# Altium PCB 智能马桶综合检测台_数据板V1.0.PcbDoc (part 1 of 8)
Units mil, origin at the board's own origin, x right, y up, seen from the top; angles counter-clockwise.
Board outline 5580 x 4007.36 mil, 2 copper layers (Top Layer, Bottom Layer); 109 components, 92 nets, 426 pads, 50 vias.
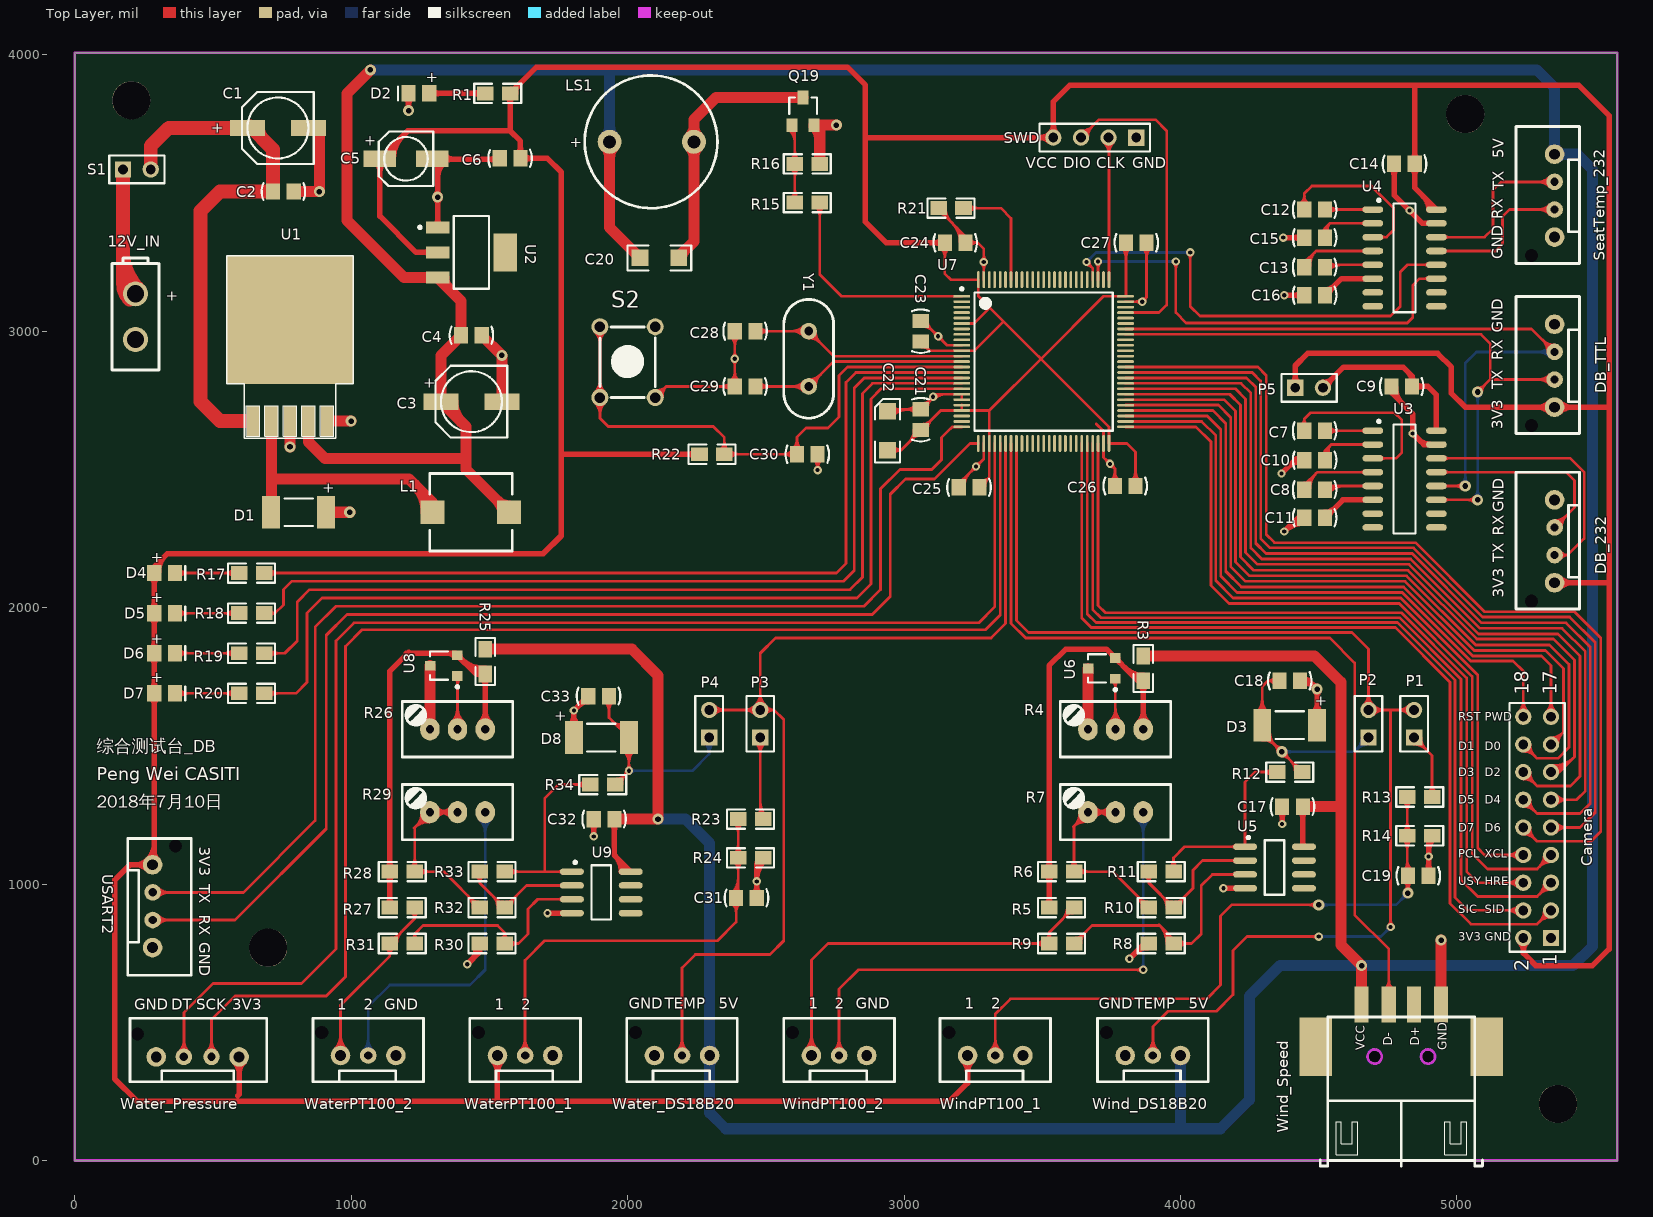
[diagram p0: Top Layer view]
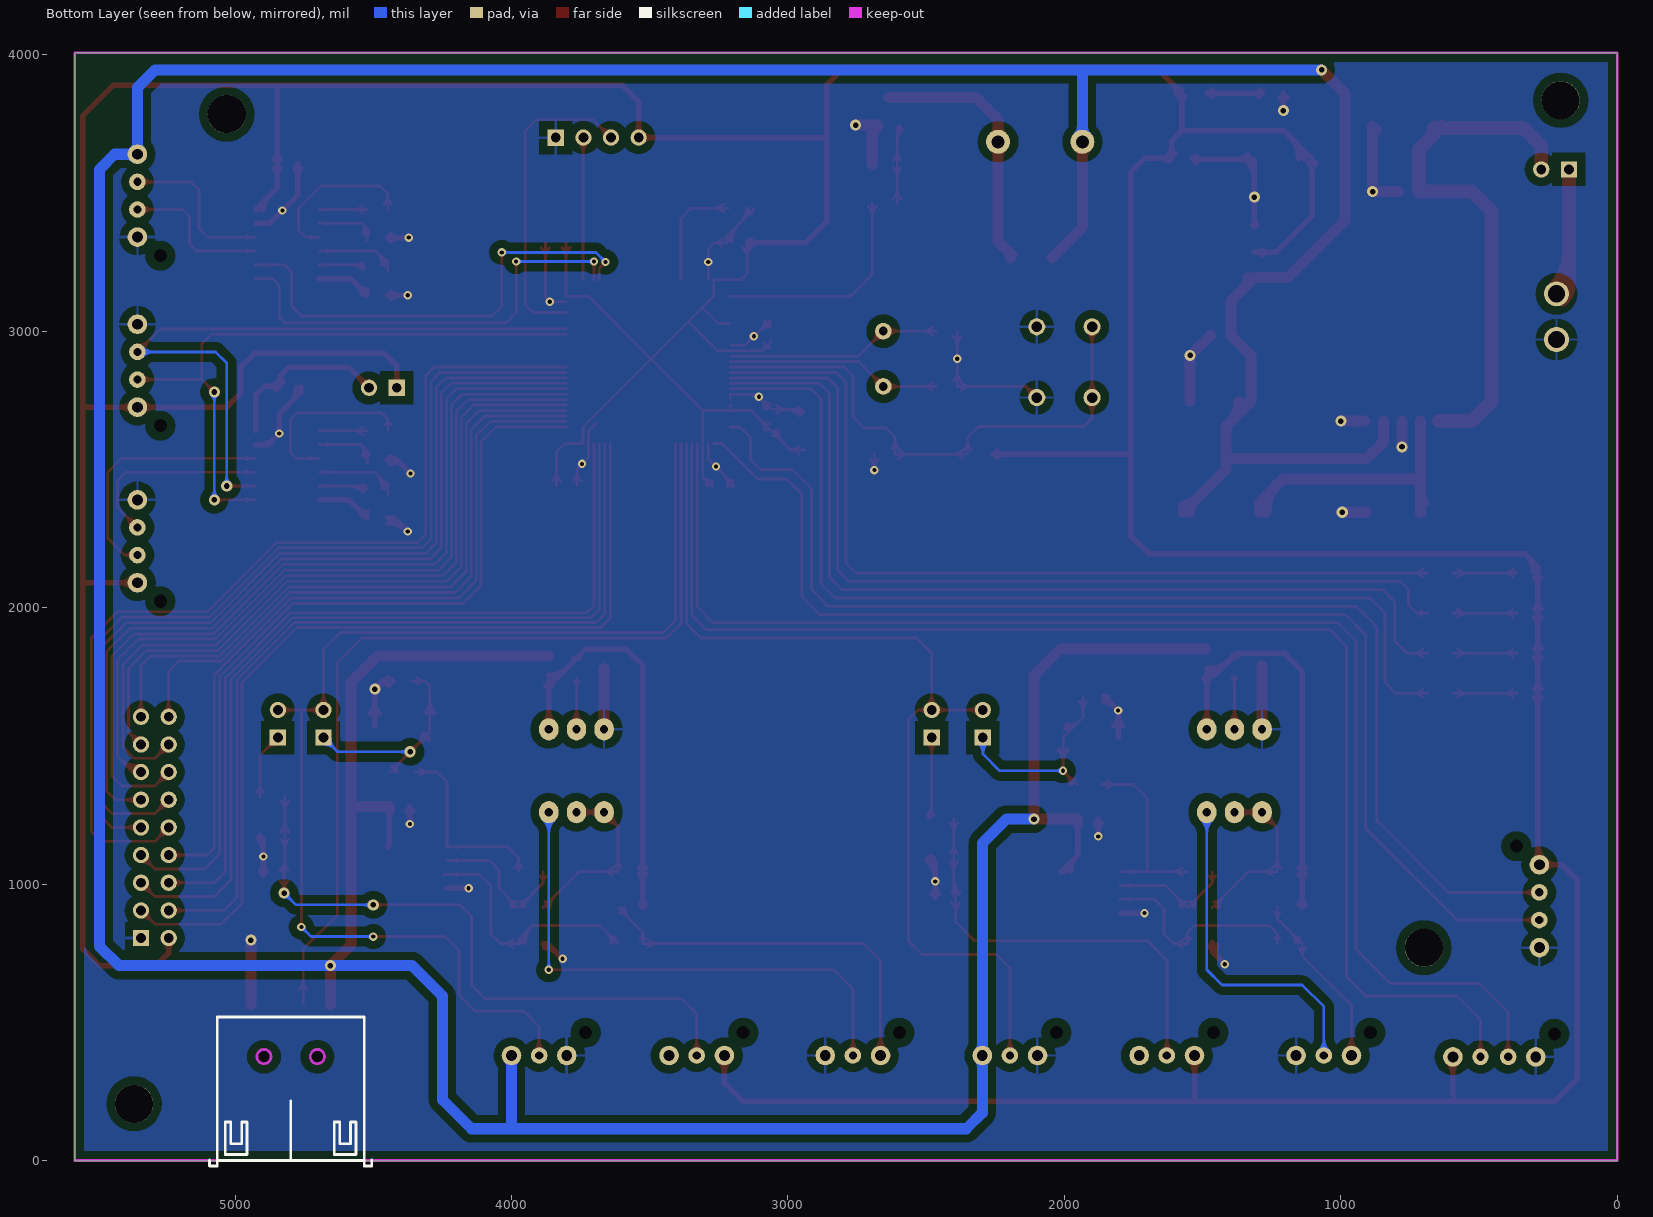
[diagram p1: Bottom Layer view, seen from below]

## Layer stack, top to bottom
Top Layer: signal copper 1.4
Dielectric: dielectric 12.6, FR-4, Dk 4.8
Bottom Layer: signal copper 1.4

## Board outline
0,0 5580,0 5580,4007.36 0,4007.36

## Design rules (kind name [scope] priority, off if disabled: settings)
Clearance [All] p1: gap=7.87
ComponentClearance [All] p1: gap=10 collisioncheckmode=3 verticalgap=10
HoleSize [All] p1: absolutevalues=TRUE maxlimit=100 minlimit=0 maxpercent=80.000 minpercent=20.000
PolygonConnect PolygonConnect_1 [ViaSize] p1: connectstyle=Direct reliefconductorwidth=10 reliefentries=4 polygonreliefangle="90 Angle"
PolygonConnect [All] p2: connectstyle=Relief reliefconductorwidth=10 reliefentries=4 polygonreliefangle="90 Angle"
RoutingVias [All] p1: holewidth=25 width=40 viastyle="Through Hole" minholewidth=12 minwidth=24 maxholewidth=100 maxwidth=100
SolderMaskExpansion [All] p1: expansion=4
TestPointUsage [All] p1: valid=0 allowmultiple=FALSE
Testpoint [All] p1: side=15 testpointundercomponent=TRUE minsize=40 maxsize=100 preferedsize=60 minholesize=0 maxholesize=40 preferedholesize=32 testpointgrid=1 style=1023 order=0-112345678
Width [All] p1: maxlimit=100 minlimit=8 preferedwidth=12
17 further rules are at their usual default settings.

## Components (designator, comment, footprint, x,y, rotation, side; value= is the part's Value field where it differs from the comment)
12V_IN "Header 2H" 4.2mm接插件2P 435,3145 r0 top
C1 "Cap Pol" CC6.56.5 735,3735 r0 top
C2 "Cap" CAP-0805 755,3505 r180 top (schematic designator C27)
C3 "Cap Pol" CC6.56.5 1435,2745 r0 top (schematic designator C2)
C4 "Cap" CAP-0805 1435,2985 r180 top (schematic designator C3)
C5 "Cap Pol" 贴片电容5*5.4 1100,3525 r0 top (schematic designator C4)
C6 "Cap" CAP-0805 1575,3625 r0 top (schematic designator C5)
C7 "Cap" CAP-0805 4485,2640 r180 top
C8 "Cap" CAP-0805 4485,2426.67 r0 top
C9 "Cap" CAP-0805 4800,2800 r0 top
C10 "Cap" CAP-0805 4485,2533.33 r0 top
C11 "Cap" CAP-0805 4485,2325 r0 top
C12 "Cap" CAP-0805 4485,3440 r180 top
C13 "Cap" CAP-0805 4485,3231.67 r0 top
C14 "Cap" CAP-0805 4810,3605 r0 top
C15 "Cap" CAP-0805 4485,3338.33 r0 top
C16 "Cap" CAP-0805 4485,3130 r0 top
C17 "Cap" CAP-0805 4405,1280 r180 top
C18 "Cap" CAP-0805 4395,1735 r180 top
C19 "Cap" CAP-0805 4860,1030 r0 top
C20 "Cap" 1206 2115,3265 r180 top
C21 "Cap" CAP-0805 3060,2680 r270 top
C22 "Cap Pol" 1206 2940,2640 r90 top
C23 "Cap" CAP-0805 3060,3000 r90 top
C24 "Cap" CAP-0805 3185,3320 r0 top
C25 "Cap" CAP-0805 3235,2435 r180 top
C26 "Cap" CAP-0805 3800,2440 r180 top
C27 "Cap" CAP-0805 3840,3320 r0 top
C28 "Cap" CAP-0805 2425,3000 r0 top (schematic designator C17)
C29 "Cap" CAP-0805 2425,2800 r0 top (schematic designator C18)
C30 "Cap" CAP-0805 2650,2555 r0 top
C31 "Cap" CAP-0805 2430,950 r0 top
C32 "Cap" CAP-0805 1915,1235 r180 top
C33 "Cap" CAP-0805 1895,1680 r0 top
Camera "Header 9X2" HDR2X9 5340,805 r90 top
D1 "Diode" SMA 910,2345 r180 top
D2 "LED0" LED_0805 1245,3860 r180 top
D3 "813B_3V3" SMA 4495,1575 r180 top
D4 "LED1" LED_0805 325,2125.47 r0 top
D5 "LED1" LED_0805 325,1979.53 r0 top
D6 "LED1" LED_0805 325,1835 r0 top
D7 "LED1" LED_0805 325,1690 r0 top
D8 "813B_3V3" SMA 1805,1530 r0 top
DB_232 "Header 4" XH-254-4P 5440,1995 r90 top
DB_TTL "Header 4" XH-254-4P 5440,2630 r90 top
L1 "Inductor" 功率电感7*7 1295,2345 r0 top
LS1 "Bell" 有源蜂鸣器5V 1935,3685 r0 top
P1 "Header 2" HDR1X2 4845,1530 r90 top
P2 "Header 2" HDR1X2 4680,1530 r90 top
P3 "Header 2" HDR1X2 2480,1530 r90 top
P4 "Header 2" HDR1X2 2295,1530 r90 top
P5 "Header 2" HDR1X2 4415,2795 r0 top
Q19 "8050" SOT-23_3C 2595,3745 r0 top
R1 "Res" 0805 1485,3860 r0 top
R3 "Res" 0805 3865,1735 r90 top
R4 "3296W电位器" VR3296-1 3765,1560 r180 top
R5 "Res" 0805 3615,915 r180 top
R6 "Res" 0805 3615,1045 r180 top
R7 "3296W电位器" VR3296-1 3765,1260 r180 top
R8 "Res" 0805 3975,785 r180 top
R9 "Res" 0805 3615,785 r180 top
R10 "Res" 0805 3975,915 r180 top
R11 "Res" 0805 3975,1045 r180 top
R12 "Res" 0805 4440,1405 r180 top
R13 "Res" 0805 4820,1315 r0 top
R14 "Res" 0805 4910,1175 r180 top
R15 "Res" 0805 2695,3465 r180 top
R16 "Res" 0805 2605,3605 r0 top
R17 "Res" 0805 685,2125 r180 top
R18 "Res" 0805 685,1980 r180 top
R19 "Res" 0805 685,1835 r180 top
R20 "Res" 0805 685,1690 r180 top
R21 "Res" 0805 3215,3445 r180 top
R22 "Res" 0805 2350,2555 r180 top
R23 "Res" 0805 2400,1235 r0 top
R24 "Res" 0805 2490,1095 r180 top
R25 "Res" 0805 1485,1760 r90 top
R26 "3296W电位器" VR3296-1 1385,1560 r180 top
R27 "Res" 0805 1230,915 r180 top
R28 "Res" 0805 1230,1045 r180 top
R29 "3296W电位器" VR3296-1 1385,1260 r180 top
R30 "Res" 0805 1555,785 r180 top
R31 "Res" 0805 1230,785 r180 top
R32 "Res" 0805 1555,915 r180 top
R33 "Res" 0805 1555,1045 r180 top
R34 "Res" 0805 1955,1360 r180 top
S1 "SW-SPST" HDR1X2 175,3585 r0 top
S2 "SW-PB" KEY 1900,2760 r90 top
SeatTemp_232 "Header 4" XH-254-4P 5440,3245 r90 top
SWD "Header 4" HDR1X4 3840,3700 r180 top
U1 "LM2596S-5.0" TO-263-5L(D2PAK) 645,2675 r0 top
U2 "AMS1117-3.3" SOT223 1435,3285 r270 top
U3 "MAX232AESE" L16_L 4810,2465 r0 top
U4 "MAX232AESE" L16_L 4810,3265 r0 top
U5 "LM358M" M08A_N 4340,1060 r0 top
U6 "431" SOT-23 3715,1780 r90 top
U7 "STM32F103VCT6" STM-LQFP100_L 3505,2890 r0 top
U8 "431" SOT-23 1335,1790 r90 top
U9 "LM358M" M08A_N 1905,970 r0 top
USART2 "Header 4" XH-254-4P 195,1165 r270 top
Water_DS18B20 "Header 3" XH-254-3P-H 2097,380 r0 top
Water_Pressure "Header 4" XH-254-4P 200,288 r0 top
WaterPT100_1 "Header 3" XH-254-3P-H 1529.33,380 r0 top
WaterPT100_2 "Header 3" XH-254-3P-H 961.67,380 r0 top
Wind_DS18B20 "Header 3" XH-254-3P-H 3800,380 r0 top
Wind_Speed "Header 4" USB-4-A-SMT 4655,565 r90 top
WindPT100_1 "Header 3" XH-254-3P-H 3230,380 r0 top
WindPT100_2 "Header 3" XH-254-3P-H 2665,380 r0 top
Y1 "XTAL" X-HC49U 2655,2900 r270 top

## Footprints (in the part's own frame and the unit in brackets; to place one, negate y for a bottom-side part, rotate by r counter-clockwise, add the part's x,y. Pads: shape width x height; smd on the part's side, far side on the other; paste and mask are expansions set on the pad)
4.2mm接插件2P [mil]
  round 90 hole 62.99: 1(-215,-10) 2(-215,-175)
  silkscreen extent -300,-285 -130,120
0805 [mil]
  rect 60x50 smd: 1(0,0) 2(90,0)
  silkscreen extent -40,-35 130,35
1206 [mil]
  rect 60x60 smd: 1(-70,0) 2(70,0)
  silkscreen extent -115,-45 115,45, body extent -75,-35 75,35, height 39
CAP-0805 [mm]
  rect 1.3x1.5 smd: 1(-0.95,0) 2(0.95,0)
  silkscreen extent -2,-0.79 2,0.79, body extent -1.27,-0.64 1.27,0.64, height 0.9
CC6.56.5 [mm]
  rect 3.2x1.5 smd: 1(-2.794,0) 2(2.8,0)
  silkscreen extent -3.3,-3.3 3.3,3.3
HDR1X2 [mm] "Connector; Header; 2 Position"
  rect 1.5x1.5 hole 0.9: 1(0,0)
  round 1.5 hole 0.9: 2(2.54,0)
  silkscreen extent -1.27,-1.27 3.81,1.27
HDR1X4 [mm] "Connector; Header; 4 Position"
  rect 1.5x1.5 hole 0.9: 1(0,0)
  round 1.5 hole 0.9: 2(2.54,0) 3(5.08,0) 4(7.62,0)
  silkscreen extent -1.27,-1.27 8.89,1.27
HDR2X9 [mm] "Connector; Header; 9x2 Position"
  rect 1.5x1.5 hole 0.9: 1(0,0)
  round 1.5 hole 0.9: 2(0,2.54) 3(2.54,0) 4(2.54,2.54) 5(5.08,0) 6(5.08,2.54) 7(7.62,0) 8(7.62,2.54) 9(10.16,0) 10(10.16,2.54) 11(12.7,0) 12(12.7,2.54) 13(15.24,0) 14(15.24,2.54) 15(17.78,0) 16(17.78,2.54) 17(20.32,0) 18(20.32,2.54)
  silkscreen extent -1.27,-1.27 21.59,3.81
KEY [mil]
  round 62 hole 38: 1(0,0) 1(255.91,0) 2(0,-200) 2(255.91,-200)
  silkscreen extent 0,-200 255,0
L16_L [mm] "SOIC, 16-Leads, Body 9.9x3.9mm, Pitch 1.27mm, IPC High Density"
  oval 1.9x0.6 smd: 1(-2.905,4.445) 2(-2.905,3.175) 3(-2.905,1.905) 4(-2.905,0.635) 5(-2.905,-0.635) 6(-2.905,-1.905) 7(-2.905,-3.175) 8(-2.905,-4.445) 9(2.937,-4.445) 10(2.937,-3.175) 11(2.937,-1.905) 12(2.937,-0.635) 13(2.937,0.635) 14(2.937,1.905) 15(2.937,3.175) 16(2.937,4.445)
  silkscreen extent -2.47,-5 1,5.42, body extent -1.95,-4.95 1.95,4.95, height 1.75
LED_0805 [mm]
  rect 1.3x1.5 smd: 1(-0.95,0) 2(0.95,0)
  silkscreen extent 1.91,-0.63 1.91,0.64
M08A_N [mm] "SOIC, 8-Leads, Body 4.9x3.9mm, Pitch 1.27mm, IPC Medium Density"
  oval 2.2x0.6 smd: 1(-2.7,1.905) 2(-2.7,0.635) 3(-2.7,-0.635) 4(-2.7,-1.905) 5(2.7,-1.905) 6(2.7,-0.635) 7(2.7,0.635) 8(2.7,1.905)
  silkscreen extent -2.52,-2.5 0.9,2.88, body extent -1.95,-2.45 1.95,2.45, height 1.76
SMA [mm]
  rect 1.65x3 smd: 1(0.015,0) 2(5.065,0)
  silkscreen extent 1.24,-1.27 3.84,1.28, body extent 0.44,-1.35 4.64,1.35, height 0.6
SOT223 [mm] "SOT-223/SC-73; 4 Leads; Body 6.7 x 7.3 mm, inc. leads (LxW max)"
  rect 1.1x2.15 smd: 1(-2.3,-3.1) 2(0,-3.1) 3(2.3,-3.1)
  rect 3.5x2.15 smd: 4(0,3.1)
  silkscreen extent -3.35,-4.85 3.35,1.63
SOT-23 [mm] "SOT-23; 3 Leads; Body 3.0 x 2.6 mm, inc. leads (LxW max)"
  rect 0.9x0.95 smd: 1(-0.95,-1.25) 2(0.95,-1.25) 3(0,1.25)
  silkscreen extent -2.07,-1.38 1.3,1.25
SOT-23_3C [mil]
  rect 40x50 smd: 1(0,0) 2(80,0) 3(40,100)
  silkscreen extent -10,40 90,100
STM-LQFP100_L [mm] "Thin QFP, 100-Leads, Body 14x14mm, Pitch 0.5mm, IPC High Density"
  oval 1.55x0.25 smd: 1(-7.525,6) 2(-7.525,5.5) 3(-7.525,5) 4(-7.525,4.5) 5(-7.525,4) 6(-7.525,3.5) 7(-7.525,3) 8(-7.525,2.5) 9(-7.525,2) 10(-7.525,1.5) 11(-7.525,1) 12(-7.525,0.5) 13(-7.525,0) 14(-7.525,-0.5) 15(-7.525,-1) 16(-7.525,-1.5) 17(-7.525,-2) 18(-7.525,-2.5) 19(-7.525,-3) 20(-7.525,-3.5) 21(-7.525,-4) 22(-7.525,-4.5) 23(-7.525,-5) 24(-7.525,-5.5) 25(-7.525,-6) 51(7.525,-6) 52(7.525,-5.5) 53(7.525,-5) 54(7.525,-4.5) 55(7.525,-4) 56(7.525,-3.5) 57(7.525,-3) 58(7.525,-2.5) 59(7.525,-2) 60(7.525,-1.5) 61(7.525,-1) 62(7.525,-0.5) 63(7.525,0) 64(7.525,0.5) 65(7.525,1) 66(7.525,1.5) 67(7.525,2) 68(7.525,2.5) 69(7.525,3) 70(7.525,3.5) 71(7.525,4) 72(7.525,4.5) 73(7.525,5) 74(7.525,5.5) 75(7.525,6)
  oval 0.25x1.55 smd: 26(-6,-7.525) 27(-5.5,-7.525) 28(-5,-7.525) 29(-4.5,-7.525) 30(-4,-7.525) 31(-3.5,-7.525) 32(-3,-7.525) 33(-2.5,-7.525) 34(-2,-7.525) 35(-1.5,-7.525) 36(-1,-7.525) 37(-0.5,-7.525) 38(0,-7.525) 39(0.5,-7.525) 40(1,-7.525) 41(1.5,-7.525) 42(2,-7.525) 43(2.5,-7.525) 44(3,-7.525) 45(3.5,-7.525) 46(4,-7.525) 47(4.5,-7.525) 48(5,-7.525) 49(5.5,-7.525) 50(6,-7.525) 76(6,7.525) 77(5.5,7.525) 78(5,7.525) 79(4.5,7.525) 80(4,7.525) 81(3.5,7.525) 82(3,7.525) 83(2.5,7.525) 84(2,7.525) 85(1.5,7.525) 86(1,7.525) 87(0.5,7.525) 88(0,7.525) 89(-0.5,7.525) 90(-1,7.525) 91(-1.5,7.525) 92(-2,7.525) 93(-2.5,7.525) 94(-3,7.525) 95(-3.5,7.525) 96(-4,7.525) 97(-4.5,7.525) 98(-5,7.525) 99(-5.5,7.525) 100(-6,7.525)
  silkscreen extent -7.65,-6.35 6.35,6.8, body extent -7,-7 7,7, height 1.6
TO-263-5L(D2PAK) [mm]
  rect 1.203x2.803 smd: 1(0,0) 2(1.7,0) 3(3.4,0) 4(5.1,0) 5(6.8,0)
  rect 11.6x11.8 smd: 3(3.412,9.297)
  silkscreen extent -2.4,-1.6 9.2,15.2, body extent -1.65,-0.84 8.51,13.39, height 4.87
USB-4-A-SMT [mm]
  rect 3.3x1.3 smd: 1(0,0) 2(0,-2.5) 3(0,-4.8) 4(0,-7.3)
  rect 5.4x3 smd: 5(-3.9,-11.5) 6(-3.9,4.2)
  Keep-Out Layer circle w0.254: c-4.8,-1.2 r0.65
  Keep-Out Layer circle w0.254: c-4.8,-6.1 r0.65
  silkscreen extent -14.85,-11.1 -1.15,3.8
VR3296-1 [mil]
  oval 70x80 hole 30: 1(-100,0) 2(100,0) W(0,0)
  silkscreen extent -200,-100 200,100
X-HC49U [mil]
  round 60 hole 32: 1(-100,0) 2(100,0)
  silkscreen extent -215,-90 215,90
XH-254-3P-H [mm]
  round 0 hole 1.2: 0(-1.727,2.108)
  round 1.8 hole 1: 1(0,0) 3(5.08,0)
  round 1.524 hole 0.762: 2(2.54,0)
  silkscreen extent -2.54,-2.41 7.62,3.43
XH-254-4P [mil]
  round 0 hole 47.24: 0(28,170)
  round 70.87 hole 39.37: 1(95,87) 4(395,87)
  round 60 hole 30: 2(195,87) 3(295,87)
  silkscreen extent 0,-3 495,227
功率电感7*7 [mm]
  rect 2.2x2.2 smd: 1(0,0) 2(7,0)
  silkscreen extent -0.27,-3.57 7.31,3.57
有源蜂鸣器5V [mm]
  round 2.2 hole 1.2: 1(0,0) 2(7.747,0)
  silkscreen extent -2.28,-6.1 9.91,6.1
贴片电容5*5.4 [mm]
  rect 3x1.5 smd: 1(0.1,2.5) 2(4.9,2.5)
  silkscreen extent 0,0 5,5

## Part data
12V_IN: "Header, 2-Pin, Right Angle"
C1 C3: "极性电解电容"
C2 C4 C7 C8 C9 C10 C11 C12 C13 C14 C15 C16 C17 C18 C19 C20 C21 C23 C24 C25 C26 C27 C28 C29 C30 C31 C32 C33: "无极性电容"
C5 C22: library part Cap, "无极性电容"
C6: library part "Cap Pol", "极性电解电容"
Camera: "Header, 9-Pin, Dual row"
D1: "二极管"
D2: "发光二极管"
D3: library part LED1, "Typical RED GaAs LED"
D4 D5 D6 D7: "Typical RED GaAs LED"
D8: library part "Diode 11DQ03", "Schottky Rectifier"
DB_232 DB_TTL SeatTemp_232 SWD USART2 Water_Pressure Wind_Speed: "Header, 4-Pin"
LS1: "Electrical Bell"
P1 P2 P3 P4 P5: "Header, 2-Pin"
Q19: library part NPN(1)
R1 R3 R5 R6 R8 R9 R10 R11 R12 R13 R14 R15 R16 R17 R18 R19 R20 R21 R22 R23 R24 R25 R27 R28 R30 R31 R32 R33 R34: library part Res1, "贴片电阻"
R4 R7 R26 R29: library part RPot, "Potentiometer"
S1: "Single-Pole, Single-Throw Switch"
S2: "Switch"
U1: library part MC74HC4049D, "Hex Inverting Buffer/Logic-Level Down Converter"
U2: library part 7805
U3 U4: "+5V-Powered, Multichannel RS-232 Driver/Receiver"
U5 U9: "Low-Power Dual Operational Amplifier"
U6 U8: library part TL431ILP, "Programmable Precision Reference"
U7: "ARM Cortex-M3 32-bit MCU, 256 KB Flash, 48 KB Internal RAM, 80 I/Os, 100-pin LQFP, -40 to 85 degC, Tray"
Water_DS18B20 WaterPT100_1 WaterPT100_2 Wind_DS18B20 WindPT100_1 WindPT100_2: "Header, 3-Pin"
Y1: "晶振"

## Free pads (board coordinates)
  round 137.8 hole 137.8: 0(205,3835) 0(700,770) 0(5030,3785) 0(5365,205)
  round 59.06 hole 59.06: 0(4702.24,376.02) 0(4895.16,376.02)

## Via types
v1: diameter 30, hole 15, Top Layer to Bottom Layer, 31 vias
v2: diameter 40, hole 20, Top Layer to Bottom Layer, 19 vias

## Nets (pads, with @x,y where several pads share a name; then routed paths per layer and width w, separated by ;. In a path a pad name is that pad's centre, name@x,y a point inside that pad or via, vN(x,y) a via of type N, cw(c..) or ccw(c..) an arc to the next point about the centre after c; other vN are vias at no path point)
ADC_DT: U7.29 Water_Pressure.2 | length 5855
  Top Layer w10: Water_Pressure.2@395,375 395,535 500,640 820,640 945,765 945,1880 1010,1945 3270,1945 3327.83,2002.83 U7.29@3327.83,2593.74 ; Water_Pressure.2@377.32,392.68 ccw(c334.64,435.36) 395,435.36 ; Water_Pressure.2@377.32,392.68 ccw(c334.64,435.36) 395,435.36 ; Water_Pressure.2@377.32,392.68 ccw(c334.64,435.36) 395,435.36 ; Water_Pressure.2@377.32,392.68 ccw(c334.64,435.36) 395,435.36 ; Water_Pressure.2@377.32,392.68 ccw(c334.64,435.36) 395,435.36 ; Water_Pressure.2@377.32,392.68 ccw(c334.64,435.36) 395,435.36 ; Water_Pressure.2@384.39,385.61 ccw(c358.79,411.21) 395,411.21 ; Water_Pressure.2@384.39,385.61 ccw(c358.79,411.21) 395,411.21 ; Water_Pressure.2@384.39,385.61 ccw(c358.79,411.21) 395,411.21 ; Water_Pressure.2@384.39,385.61 ccw(c358.79,411.21) 395,411.21 ; Water_Pressure.2@384.39,385.61 ccw(c358.79,411.21) 395,411.21 ; Water_Pressure.2@384.39,385.61 ccw(c358.79,411.21) 395,411.21 ; 395,411.21 ccw(c431.21,411.21) Water_Pressure.2@405.61,385.61 ; 395,411.21 ccw(c431.21,411.21) Water_Pressure.2@405.61,385.61 ; 395,411.21 ccw(c431.21,411.21) Water_Pressure.2@405.61,385.61 ; 395,411.21 ccw(c431.21,411.21) Water_Pressure.2@405.61,385.61 ; 395,411.21 ccw(c431.21,411.21) Water_Pressure.2@405.61,385.61 ; 395,411.21 ccw(c431.21,411.21) Water_Pressure.2@405.61,385.61 ; 395,435.36 ccw(c455.36,435.36) Water_Pressure.2@412.68,392.68 ; 395,435.36 ccw(c455.36,435.36) Water_Pressure.2@412.68,392.68 ; 395,435.36 ccw(c455.36,435.36) Water_Pressure.2@412.68,392.68 ; 395,435.36 ccw(c455.36,435.36) Water_Pressure.2@412.68,392.68 ; 395,435.36 ccw(c455.36,435.36) Water_Pressure.2@412.68,392.68 ; 395,435.36 ccw(c455.36,435.36) Water_Pressure.2@412.68,392.68
ADC_SCK: U7.30 Water_Pressure.3 | length 5824.7
  Top Layer w10: Water_Pressure.3@495,375 495,510 580,595 910,595 980,665 980,1860 1040,1920 3295,1920 3347.52,1972.52 U7.30@3347.52,2593.74 ; Water_Pressure.3@477.32,392.68 ccw(c434.64,435.36) 495,435.36 ; Water_Pressure.3@477.32,392.68 ccw(c434.64,435.36) 495,435.36 ; Water_Pressure.3@477.32,392.68 ccw(c434.64,435.36) 495,435.36 ; Water_Pressure.3@477.32,392.68 ccw(c434.64,435.36) 495,435.36 ; Water_Pressure.3@477.32,392.68 ccw(c434.64,435.36) 495,435.36 ; Water_Pressure.3@477.32,392.68 ccw(c434.64,435.36) 495,435.36 ; Water_Pressure.3@484.39,385.61 ccw(c458.79,411.21) 495,411.21 ; Water_Pressure.3@484.39,385.61 ccw(c458.79,411.21) 495,411.21 ; Water_Pressure.3@484.39,385.61 ccw(c458.79,411.21) 495,411.21 ; Water_Pressure.3@484.39,385.61 ccw(c458.79,411.21) 495,411.21 ; Water_Pressure.3@484.39,385.61 ccw(c458.79,411.21) 495,411.21 ; Water_Pressure.3@484.39,385.61 ccw(c458.79,411.21) 495,411.21 ; 495,411.21 ccw(c531.21,411.21) Water_Pressure.3@505.61,385.61 ; 495,411.21 ccw(c531.21,411.21) Water_Pressure.3@505.61,385.61 ; 495,411.21 ccw(c531.21,411.21) Water_Pressure.3@505.61,385.61 ; 495,411.21 ccw(c531.21,411.21) Water_Pressure.3@505.61,385.61 ; 495,411.21 ccw(c531.21,411.21) Water_Pressure.3@505.61,385.61 ; 495,411.21 ccw(c531.21,411.21) Water_Pressure.3@505.61,385.61 ; 495,435.36 ccw(c555.36,435.36) Water_Pressure.3@512.68,392.68 ; 495,435.36 ccw(c555.36,435.36) Water_Pressure.3@512.68,392.68 ; 495,435.36 ccw(c555.36,435.36) Water_Pressure.3@512.68,392.68 ; 495,435.36 ccw(c555.36,435.36) Water_Pressure.3@512.68,392.68 ; 495,435.36 ccw(c555.36,435.36) Water_Pressure.3@512.68,392.68 ; 495,435.36 ccw(c555.36,435.36) Water_Pressure.3@512.68,392.68